# Altium PCB MiniPC.PcbDoc (part 10 of 23)
Units mm, origin at the board's own origin, x right, y up, seen from the top; angles counter-clockwise.
Board outline 175 x 155 mm, 16 copper layers (1_Top, 2_int1_(gnd), 3_int2_(power), 4_int3_(gnd), 5_int4_(sign), 6_int5_(power), 7_int6_(sign), 8_int7_(power), 9_int8_(gnd), 10_int9_(sign), 11_int10_(gnd), 12_int11_(sign), 13_int12_(gnd), 14_int13_(power), 15_int14_(gnd), 16_Bottom), stack 2.008 mm thick; 1046 components, 841 nets, 6010 pads, 4016 vias.
Unrouted connection lines stored in the file: 602.
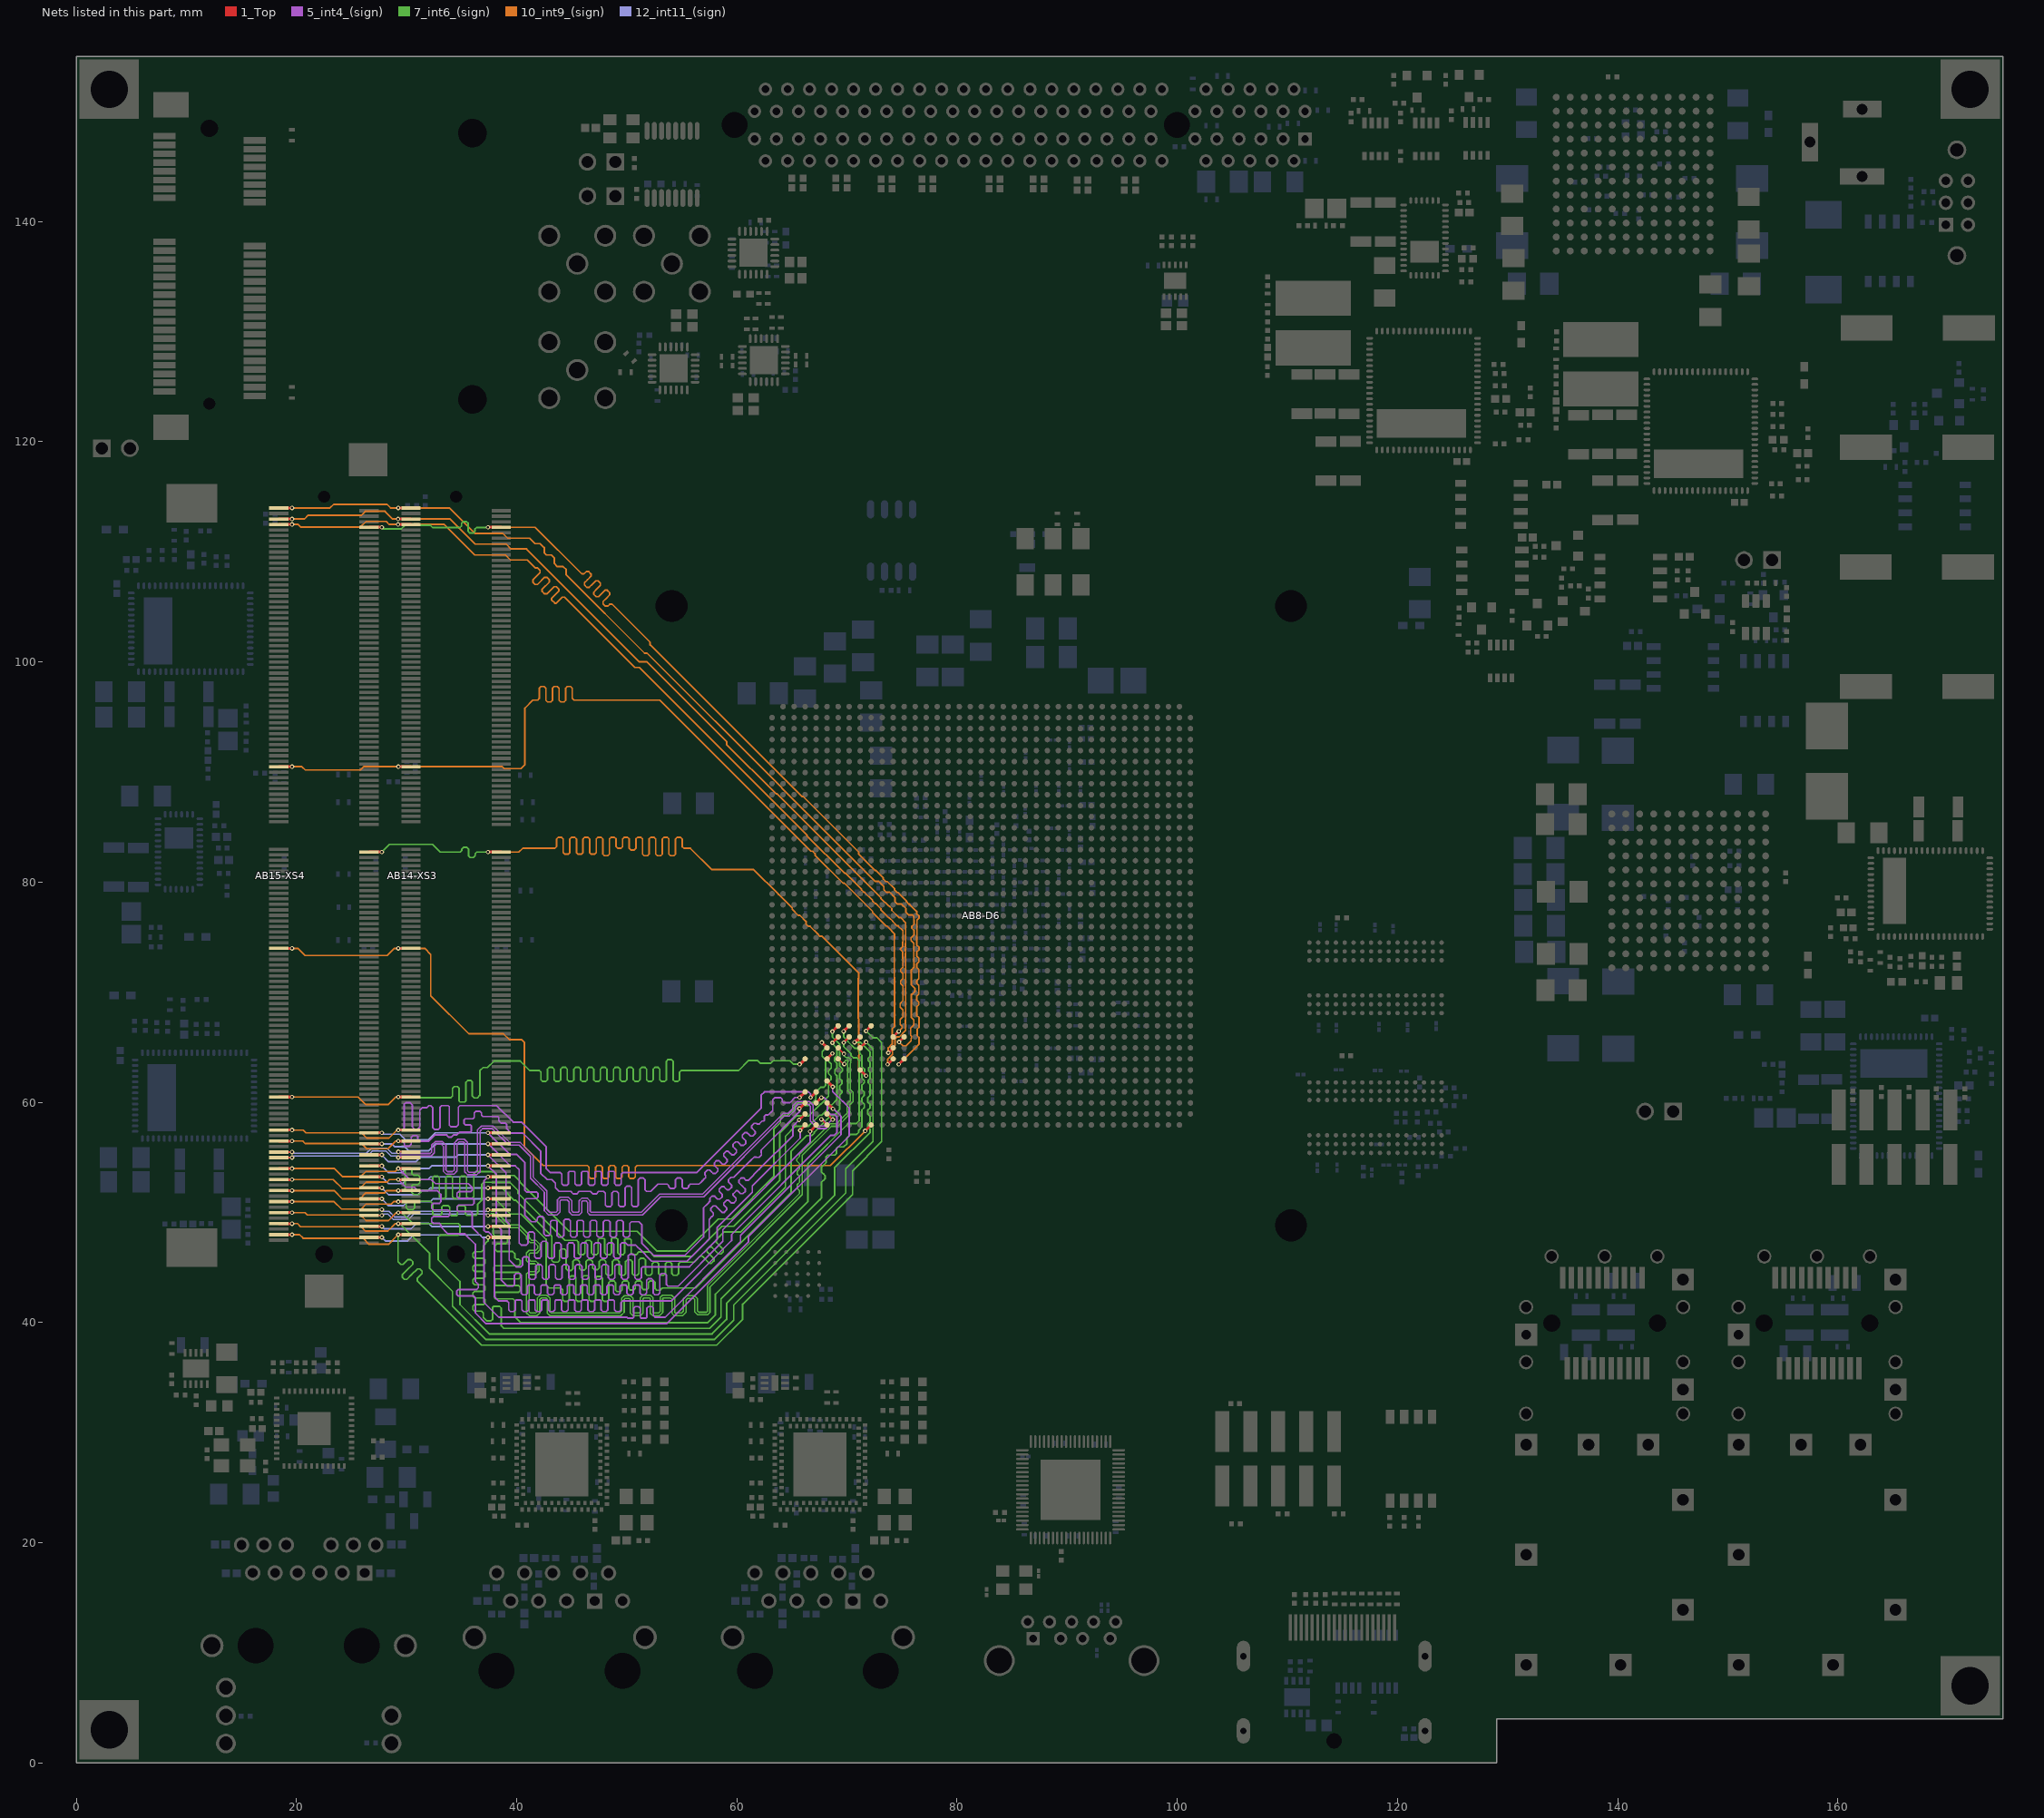
[diagram p24: the nets of this part, all layers, seen from the top]

## Via types
v1: diameter 0.4, hole 0.2, 1_Top to 16_Bottom, tented both sides, 1658 vias
v2: diameter 0.7, hole 0.3, 1_Top to 16_Bottom, tented both sides, 915 vias
v3: diameter 0.5, hole 0.2, 1_Top to 16_Bottom, tented both sides, 854 vias
v4: diameter 0.6, hole 0.2, 1_Top to 16_Bottom, 278 vias
v5: diameter 0.5, hole 0.2, 1_Top to 16_Bottom, 162 vias
v6: diameter 0.4, hole 0.2, 1_Top to 16_Bottom, 100 vias
v7: diameter 0.4/0/0/0/0/0/0/0/0/0/0/0/0/0/0/0.4 (per signal layer), hole 0.2, 1_Top to 16_Bottom, tented both sides, 18 vias
v8: diameter 0.4/0/0/0/0/0/0/0/0/0/0/0.4/0.4/0.4/0.4/0.4 (per signal layer), hole 0.2, 1_Top to 16_Bottom, tented both sides, 16 vias
v9: diameter 0.5, hole 0.254, 1_Top to 16_Bottom, 15 vias

## Nets (pads, with @x,y where several pads share a name; then routed paths per layer and width w, separated by ;. In a path a pad name is that pad's centre, name@x,y a point inside that pad or via, vN(x,y) a via of type N, cw(c..) or ccw(c..) an arc to the next point about the centre after c; other vN are vias at no path point) (continued)
DDR4_BLK1.CTRL.PARITY: AB8-D6.AP9 AB14-XS3.143 AB15-XS4.143 | length 88.4
  1_Top w0.25: AB15-XS4.143@26.6,82.725 v1(27.75,82.725) ; v1(37.398,82.725) AB14-XS3.143@38.6,82.725 ; AB8-D6.AP9@71.194,62.939 v1(71.725,62.408)
  7_int6_(sign) w0.15: v1(27.75,82.725) 28.45,83.425 32.375,83.425 33.075,82.725 34.875,82.725 35.025,82.875 35.025,83 35.175,83.15 35.475,83.15 35.625,83 35.625,82.375 35.775,82.225 36.075,82.225 36.225,82.375 36.225,82.575 36.375,82.725 v1(37.398,82.725)
  10_int9_(sign) w0.15: v1(37.398,82.725) 40.2,82.725 40.55,83.075 43.475,83.075 43.625,83.225 43.625,83.912 43.775,84.062 44.075,84.062 44.225,83.912 44.225,82.678 44.375,82.528 44.675,82.528 44.825,82.678 44.825,83.912 44.975,84.062 45.275,84.062 45.425,83.912 45.425,82.678 45.575,82.528 45.875,82.528 46.025,82.678 46.025,83.912 46.175,84.062 46.475,84.062 46.625,83.912 46.625,82.678 46.775,82.528 47.075,82.528 47.225,82.678 47.225,83.912 47.375,84.062 47.675,84.062 47.825,83.912 47.825,82.538 47.975,82.388 48.275,82.388 48.425,82.538 48.425,83.912 48.575,84.062 48.875,84.062 49.025,83.912 49.025,83.225 49.175,83.075 49.475,83.075 49.625,83.225 49.625,83.912 49.775,84.062 50.075,84.062 50.225,83.912 50.225,83.067 50.375,82.917 50.675,82.917 50.825,83.067 50.825,83.912 50.975,84.062 51.275,84.062 51.425,83.912 51.425,82.538 51.575,82.388 51.875,82.388 52.025,82.538 52.025,83.912 52.175,84.062 52.475,84.062 52.625,83.912 52.625,82.538 52.775,82.388 53.075,82.388 53.225,82.538 53.225,83.912 53.375,84.062 53.675,84.062 53.825,83.912 53.825,82.538 53.975,82.388 54.275,82.388 54.425,82.538 54.425,83.912 54.575,84.062 54.875,84.062 55.025,83.912 55.025,83.225 55.175,83.075 55.775,83.075 57.725,81.125 61.525,81.125 63.775,78.875 63.805,78.875 65.025,77.655 65.025,77.52 65.57,76.975 65.73,76.975 66.275,76.43 66.275,76.195 66.495,75.975 66.655,75.975 67.325,75.305 67.325,75.295 67.545,75.075 67.737,75.075 69.925,72.887 69.925,72.875 71.069,71.731 71.069,71.284 71.025,71.24 71.025,67.63 71.05,67.605 71.05,65.608 71.052,65.605 71.052,65.295 71.05,65.292 71.05,64.63 71.1,64.58 71.1,64.27 71.052,64.222 71.052,63.081 v1(71.725,62.408)
DDR4_BLK1.CTRL.RESET: AB8-D6.AW10 AB14-XS3.108 AB15-XS4.108 | length 80.9
  1_Top w0.25: AB15-XS4.108@18.4,73.975 v1(19.602,73.975) ; v1(29.25,73.975) AB14-XS3.108@30.4,73.975 ; v1(71.65,57.4) 71.655,57.4 AB8-D6.AW10@72.194,57.939
  10_int9_(sign) w0.15: v1(19.602,73.975) 20.125,73.975 20.775,73.325 28.25,73.325 28.9,73.975 v1(29.25,73.975) 31.65,73.975 32.2,73.425 32.2,69.675 35.65,66.225 38.8,66.225 39.325,65.7 40.438,65.7 40.688,65.45 40.688,55.988 42.425,54.25 46.425,54.25 46.575,54.1 46.575,53.222 46.725,53.072 47.025,53.072 47.175,53.222 47.175,54.1 47.325,54.25 47.625,54.25 47.775,54.1 47.775,53.222 47.925,53.072 48.225,53.072 48.375,53.222 48.375,54.1 48.525,54.25 48.825,54.25 48.975,54.1 48.975,53.222 49.125,53.072 49.425,53.072 49.575,53.222 49.575,54.1 49.725,54.25 50.025,54.25 50.175,54.1 50.175,53.222 50.325,53.072 50.625,53.072 50.775,53.222 50.775,54.1 50.925,54.25 68.5,54.25 v1(71.65,57.4)
DDR4_BLK1.CTRL.SA0: AB8-D6.AN12 AB14-XS3.256 AB15-XS4.256 | length 88.6
  1_Top w0.25: AB15-XS4.256@18.4,112.975 v1(19.602,112.975) ; v1(29.225,112.975) AB14-XS3.256@30.4,112.975 ; v1(73.694,63.439) AB8-D6.AN12@74.194,63.939
  10_int9_(sign) w0.15: v1(19.602,112.975) 20.72,112.975 21.045,113.3 25.875,113.3 26.25,113.675 28.05,113.675 28.75,112.975 v1(29.225,112.975) 33.95,112.975 36.225,110.7 39.05,110.7 39.5,110.25 40.9,110.25 51.15,100 51.837,100 59.069,92.768 59.069,92.501 63.545,88.025 63.639,88.025 72.855,78.808 72.855,78.8 73.075,78.58 73.075,78.528 73.789,77.814 73.849,77.814 74.069,77.595 74.069,77.431 74.725,76.775 74.855,76.775 75.329,76.302 75.329,75.12 75.325,75.116 75.325,74.701 75.333,74.692 75.333,74.464 75.304,74.434 75.304,74.123 75.333,74.094 75.333,73.983 75.304,73.954 75.304,73.764 75.328,73.74 75.328,73.533 75.304,73.509 75.304,73.198 75.329,73.173 75.329,70.688 ; v1(73.694,63.439) 73.694,63.909 74.125,64.34 74.125,64.958 74.35,65.183 74.35,65.75 74.529,65.929 74.729,65.929 75.325,66.525 75.325,67.152 75.304,67.173 75.304,67.484 75.325,67.505 75.325,68.1 75.33,68.105 75.33,70.687
DDR4_BLK1.CTRL.SA1: AB8-D6.AL13 AB14-XS3.260 AB15-XS4.260 | length 90.4
  1_Top w0.25: AB15-XS4.260@18.4,113.975 v1(19.602,113.975) ; v1(29.25,113.975) AB14-XS3.260@30.4,113.975 ; v1(74.73,65.475) AB8-D6.AL13@75.194,65.939
  10_int9_(sign) w0.15: v1(19.602,113.975) 23.05,113.975 23.375,114.3 28.225,114.3 28.55,113.975 v1(29.25,113.975) 33.9,113.975 36.2,111.675 38.725,111.675 39.175,111.225 41.175,111.225 41.662,110.738 42.138,110.738 42.5,110.375 42.5,109.9 42.7,109.7 43.15,109.7 43.425,109.425 43.425,108.925 43.7,108.65 44.225,108.65 44.5,108.375 44.5,107.9 51.615,100.785 51.845,100.785 64.075,88.555 64.075,88.528 72.55,80.053 72.889,80.053 73.35,79.592 73.35,79.295 73.57,79.075 73.867,79.075 74.35,78.592 74.35,78.22 74.57,78 74.942,78 75.35,77.592 75.35,77.245 75.57,77.025 75.917,77.025 76.075,76.867 76.075,76.555 76.1,76.53 76.1,76.195 75.88,75.975 75.88,75.82 76.079,75.621 76.079,75.198 75.825,74.945 75.825,74.7 76.075,74.45 76.075,72.605 76.079,72.602 76.079,72.248 75.85,72.02 75.85,70.65 76.175,70.325 76.175,70.075 75.9,69.8 75.85,69.8 75.85,67.7 76.075,67.475 76.075,67.025 75.775,66.725 75.775,66.075 75.863,65.987 75.863,65.812 75.825,65.775 75.825,65.575 75.375,65.125 75.079,65.125 v1(74.73,65.475)
DDR4_BLK1.CTRL.SA2: AB8-D6.AM12 AB14-XS3.166 AB15-XS4.166 | length 90.7
  1_Top w0.25: AB15-XS4.166@18.4,90.475 v1(19.602,90.475) ; v1(29.251,90.479) 30.396,90.479 AB14-XS3.166@30.4,90.475 ; v1(73.75,64.495) AB8-D6.AM12@74.194,64.939
  10_int9_(sign) w0.15: v1(19.602,90.475) 20.5,90.475 20.8,90.175 25.8,90.175 26.104,90.479 v1(29.251,90.479) 38.696,90.479 38.875,90.3 40.375,90.3 40.75,90.675 40.75,95.8 41.475,96.525 41.9,96.525 42.05,96.675 42.05,97.606 42.2,97.756 42.5,97.756 42.65,97.606 42.65,96.501 42.8,96.351 43.1,96.351 43.25,96.501 43.25,97.606 43.4,97.756 43.7,97.756 43.85,97.606 43.85,96.501 44,96.351 44.3,96.351 44.45,96.501 44.45,97.606 44.6,97.756 44.9,97.756 45.05,97.606 45.05,96.675 45.2,96.525 52.983,96.525 66.708,82.8 66.88,82.8 67.1,82.58 67.1,82.45 69.65,79.9 69.764,79.9 72.319,77.345 72.319,77.233 73.548,76.004 73.652,76.004 74.05,75.605 74.05,75.552 74.33,75.272 74.33,74.925 74.304,74.899 74.304,71.323 74.33,71.297 74.33,69.61 ; v1(73.75,64.495) 73.75,64.936 74.1,65.286 74.1,66.675 74.329,66.904 74.329,69.609
DDR4_BLK1.CTRL.SCL: AB8-D6.AN13 AB14-XS3.253 AB15-XS4.253 | length 89.8
  1_Top w0.25: AB15-XS4.253@26.6,112.225 v1(27.75,112.225) ; v1(37.398,112.225) AB14-XS3.253@38.6,112.225 ; v1(74.694,63.439) AB8-D6.AN13@75.194,63.939
  7_int6_(sign) w0.15: v1(27.75,112.225) 27.9,112.075 29.525,112.075 29.85,112.4 32.175,112.4 32.375,112.2 34.85,112.2 35,112.35 35,112.575 35.15,112.725 35.45,112.725 35.6,112.575 35.6,111.85 35.75,111.7 36.05,111.7 36.2,111.85 36.2,112.05 36.35,112.2 37.32,112.2 37.345,112.225 v1(37.398,112.225)
  10_int9_(sign) w0.15: v1(37.398,112.225) 41.675,112.225 45.906,107.994 46.118,107.994 46.326,108.201 46.538,108.201 46.75,107.989 46.75,107.777 46.436,107.464 46.155,107.183 46.155,106.97 46.367,106.758 46.58,106.758 46.861,107.039 47.174,107.353 47.386,107.353 47.599,107.141 47.599,106.929 47.285,106.615 47.004,106.334 47.004,106.122 47.216,105.91 47.428,105.91 47.709,106.191 48.023,106.504 48.235,106.504 48.447,106.292 48.447,106.08 48.133,105.767 47.852,105.486 47.852,105.273 48.065,105.061 48.277,105.061 48.452,105.236 48.664,105.236 52.125,101.775 52.125,101.539 65.889,87.775 65.996,87.775 71.069,82.702 71.069,82.534 72.539,81.064 72.599,81.064 73.3,80.364 73.3,80.27 73.52,80.05 73.655,80.05 74.329,79.377 74.329,79.274 74.552,79.05 74.614,79.05 75.4,78.264 75.4,78.22 75.62,78 75.664,78 76.325,77.339 76.325,77.125 76.55,76.9 76.55,76.755 76.35,76.555 76.35,75.066 76.325,75.041 76.325,74.295 76.55,74.07 76.55,73.875 76.325,73.65 76.325,73.295 76.525,73.095 76.525,72.755 76.329,72.559 76.329,72.248 76.525,72.052 76.525,71.225 76.325,71.025 76.325,70.8 76.525,70.6 76.525,69.825 76.325,69.625 76.325,69.275 76.514,69.086 76.514,68.861 76.325,68.672 76.325,67.9 76.55,67.675 76.55,66.825 76.375,66.65 76.375,66.05 76.55,65.875 76.55,65.296 v1(74.694,63.439)
DDR4_BLK1.CTRL.SDA: AB8-D6.AL12 AB14-XS3.254 AB15-XS4.254 | length 90.8
  1_Top w0.25: AB15-XS4.254@18.4,112.475 v1(19.602,112.475) ; v1(29.225,112.475) AB14-XS3.254@30.4,112.475 ; AB8-D6.AL12@74.194,65.939 v1(74.694,66.439)
  10_int9_(sign) w0.15: v1(19.602,112.475) 20.15,112.475 20.375,112.25 25.825,112.25 26.325,112.75 28.15,112.75 28.425,112.475 v1(29.225,112.475) 33.425,112.475 36.2,109.7 38.975,109.7 39.425,109.25 40.975,109.25 41.7,108.525 41.903,108.525 42.124,108.305 42.124,108.101 41.471,107.449 41.471,107.236 41.684,107.024 41.896,107.024 42.548,107.677 42.752,107.677 42.972,107.456 42.972,107.253 42.32,106.6 42.32,106.388 42.532,106.176 42.744,106.176 43.397,106.828 43.6,106.828 43.821,106.608 43.821,106.404 43.168,105.752 43.168,105.632 43.473,105.327 43.593,105.327 44.139,105.874 44.351,105.874 50.735,99.49 51.14,99.49 66.354,84.276 66.354,84.22 69.759,80.814 69.849,80.814 71.319,79.345 71.319,79.284 71.539,79.064 71.599,79.064 72.325,78.339 72.325,78.27 72.545,78.05 72.614,78.05 73.069,77.595 73.069,77.501 73.816,76.754 73.859,76.754 74.15,76.463 74.15,76.42 74.545,76.025 74.638,76.025 75.079,75.584 75.079,75.223 75.075,75.22 75.075,74.589 75.083,74.58 75.083,74.567 75.054,74.538 75.054,74.129 74.825,73.9 74.825,73.889 75.078,73.637 75.054,73.612 75.054,73.095 75.075,73.073 75.075,72.275 74.875,72.075 74.875,71.875 75.075,71.675 75.075,71.225 74.875,71.025 74.875,70.788 75.08,70.584 75.08,70.273 ; v1(74.694,66.439) 75,66.745 75,66.895 74.825,67.071 74.825,67.525 75.075,67.775 75.075,68.375 74.825,68.625 74.825,68.975 75.079,69.229 75.079,70.272
DDR4_BLK1.DL1.DM0: AB8-D6.AL9 AB14-XS3.12 AB15-XS4.12 | length 87.5
  1_Top w0.25: AB15-XS4.12@18.4,49.975 v1(19.602,49.975) ; v1(29.25,49.975) AB14-XS3.12@30.4,49.975 ; v1(70.677,65.45) 70.705,65.45 AB8-D6.AL9@71.194,65.939
  7_int6_(sign) w0.15: v1(29.25,49.975) 29.575,49.975 30.575,48.975 34.7,48.975 34.85,48.825 34.85,48.125 34.65,47.925 33.075,47.925 32.875,47.725 32.875,45.7 34.85,43.725 34.85,41.629 37.524,38.955 57.744,38.955 59.07,40.281 59.07,41.745 68.875,51.55 68.875,54.05 72.104,57.279 72.104,57.55 72.1,57.55 71.875,57.775 71.875,58.021 72.104,58.25 72.104,58.721 71.875,58.95 71.875,59.271 72.104,59.5 72.104,59.8 71.875,60.029 71.875,60.4 72.075,60.6 72.104,60.6 72.104,61.6 72.1,61.6 71.925,61.775 71.925,61.996 72.104,62.175 72.104,62.7 72.1,62.7 71.95,62.85 71.95,63.097 72.104,63.25 72.104,63.622 71.9,63.825 71.9,63.997 72.104,64.2 72.104,64.566 71.22,65.45 v1(70.677,65.45)
  10_int9_(sign) w0.15: v1(19.602,49.975) 20.77,49.975 20.982,49.763 25.812,49.763 26.325,49.25 28.35,49.25 29.075,49.975 v1(29.25,49.975)
DDR4_BLK1.DL1.DQ0: AB8-D6.AM9 AB14-XS3.8 AB15-XS4.8 | length 81.4
  1_Top w0.25: AB15-XS4.8@18.4,48.975 v1(19.602,48.975) ; v1(29.25,48.975) AB14-XS3.8@30.4,48.975 ; AB8-D6.AM9@71.194,64.939 71.725,65.47 v1(71.725,65.475)
  7_int6_(sign) w0.15: v1(29.25,48.975) 29.3,48.925 29.325,48.925 29.325,49.046 32.1,46.271 32.1,44.9 34.175,42.825 34.175,41.5 37.23,38.445 57.955,38.445 59.715,40.205 59.715,41.588 69.888,51.761 69.888,53.962 72.354,56.427 72.354,64.85 71.729,65.475 v1(71.725,65.475)
  10_int9_(sign) w0.15: v1(19.602,48.975) 20.1,48.975 20.375,48.7 25.875,48.7 26.275,48.3 28.3,48.3 28.975,48.975 v1(29.25,48.975)
DDR4_BLK1.DL1.DQ1: AB8-D6.AL8 AB14-XS3.7 AB15-XS4.7 | length 88.5
  1_Top w0.25: AB15-XS4.7@26.6,48.725 v1(27.75,48.725) ; v1(37.398,48.725) AB14-XS3.7@38.6,48.725 ; v1(69.7,65.425) 69.7,65.445 AB8-D6.AL8@70.194,65.939 AB8-D6.AL8@70.089,65.939
  7_int6_(sign) w0.15: v1@37.423,48.75 v1(37.398,48.725) 37.675,48.725 37.875,48.525 37.875,48.025 38.025,47.875 38.9,47.875 39.175,47.6 39.175,47.325 39,47.15 38.225,47.15 38.05,46.975 38.05,46.625 38.225,46.45 39.623,46.45 39.823,46.25 39.823,45.9 39.973,45.75 40.184,45.75 40.334,45.6 40.334,45.3 40.184,45.15 38.066,45.15 37.916,45 37.916,44.7 38.066,44.55 40.184,44.55 40.334,44.4 40.334,44.1 40.184,43.95 38.066,43.95 38.025,43.909 38.025,43.391 38.066,43.35 40.169,43.35 40.319,43.2 40.319,42.9 40.169,42.75 38.066,42.75 38.025,42.709 38.025,42.191 38.066,42.15 39.673,42.15 39.823,42 39.823,40.552 40.4,39.975 57.322,39.975 58.05,40.703 58.05,42.575 66.44,50.965 66.44,54.39 70.114,58.064 70.849,58.064 71.1,58.315 71.1,63.825 70.875,64.05 70.57,64.05 70.35,64.27 70.35,64.42 69.7,65.07 v1(69.7,65.425)
  12_int11_(sign) w0.15: v1(27.75,48.725) 27.975,48.5 30.4,48.5 30.9,49 32,49 32.275,48.725 v1(37.398,48.725)
DDR4_BLK1.DL1.DQ2: AB8-D6.AM6 AB14-XS3.20 AB15-XS4.20 | length 87
  1_Top w0.25: AB15-XS4.20@18.4,51.975 v1(19.602,51.975) ; v1(29.25,51.975) AB14-XS3.20@30.4,51.975 ; v1(67.719,65.431) 68.194,64.956 AB8-D6.AM6@68.194,64.939
  7_int6_(sign) w0.15: v1(29.25,51.975) 29.275,52 29.725,52 29.875,52.15 29.875,53.85 30.025,54 30.325,54 30.475,53.85 30.475,53.525 30.625,53.375 31.05,53.375 31.2,53.225 31.2,52.7 31.025,52.525 30.6,52.525 30.475,52.4 30.475,51.825 30.675,51.625 31.1,51.625 31.475,52 32.225,52 32.375,52.15 32.375,53.15 32.525,53.3 32.825,53.3 32.975,53.15 32.975,51.4 33.125,51.25 33.425,51.25 33.575,51.4 33.575,53.15 33.725,53.3 34.025,53.3 34.175,53.15 34.175,51.4 34.325,51.25 34.625,51.25 34.825,51.45 34.825,53.125 35,53.3 35.275,53.3 35.45,53.125 35.45,51.425 35.6,51.275 35.95,51.275 36.1,51.425 36.1,53.525 36.275,53.7 37.875,53.7 38.225,53.35 39.775,53.35 40.3,52.825 40.3,52.725 44.75,48.275 50.946,48.275 52.721,46.5 55.4,46.5 58.3,49.4 59.498,49.4 63.35,53.252 63.35,57.55 63.95,58.15 63.95,58.525 64.25,58.825 64.625,58.825 65.175,59.375 65.175,59.575 65.55,59.95 65.925,59.95 66.175,59.7 66.475,59.7 66.725,59.95 66.85,59.95 67.175,60.275 67.175,60.625 67.375,60.825 67.375,61.125 67.612,61.362 67.913,61.362 68.05,61.5 68.05,63.875 67.75,64.175 67.75,64.6 68.05,64.9 68.05,65.1 v1(67.719,65.431)
  10_int9_(sign) w0.15: v1(19.602,51.975) 23.425,51.975 24.175,51.225 25.75,51.225 26.275,51.75 27.975,51.75 28.2,51.975 v1(29.25,51.975)
DDR4_BLK1.DL1.DQ3: AB8-D6.AL7 AB14-XS3.21 AB15-XS4.21 | length 88.1
  1_Top w0.25: AB15-XS4.21@26.6,52.225 v1(27.75,52.225) ; v1(37.398,52.225) AB14-XS3.21@38.6,52.225 ; v1(68.675,65.4) 69.194,65.919 AB8-D6.AL7@69.194,65.939
  7_int6_(sign) w0.15: v1@37.448,52.175 v1(37.398,52.225) 38.65,52.225 39.775,51.1 39.93,51.1 43.2,47.83 43.2,45.625 43.345,45.48 43.6,45.48 43.75,45.48 43.9,45.63 43.9,46.524 44.05,46.674 44.35,46.674 44.5,46.524 44.5,45.48 44.5,44.875 44.65,44.725 44.95,44.725 45.1,44.875 45.1,45.48 45.1,45.53 45.25,45.68 45.55,45.68 45.7,45.53 45.7,45.48 45.7,44.912 45.85,44.762 46.15,44.762 46.3,44.912 46.3,45.48 46.3,45.53 46.45,45.68 46.75,45.68 46.9,45.53 46.9,45.48 46.9,44.949 47.05,44.799 47.35,44.799 47.5,44.949 47.5,45.48 47.5,45.53 47.65,45.68 47.95,45.68 48.1,45.53 48.1,45.48 48.1,44.436 48.25,44.286 48.55,44.286 48.7,44.436 48.7,45.48 48.7,45.53 48.85,45.68 49.15,45.68 49.3,45.53 49.3,45.48 49.3,44.436 49.45,44.286 49.75,44.286 49.9,44.436 49.9,45.48 49.9,45.53 50.05,45.68 50.35,45.68 50.5,45.53 50.5,45.48 50.5,44.436 50.65,44.286 50.95,44.286 51.1,44.436 51.1,45.48 51.1,45.678 51.25,45.828 51.55,45.828 51.7,45.678 51.7,45.48 51.7,44.436 51.85,44.286 52.15,44.286 52.3,44.436 52.3,45.33 52.45,45.48 52.75,45.48 52.9,45.33 52.9,44.436 53.05,44.286 53.35,44.286 53.5,44.436 53.5,45.33 53.65,45.48 53.95,45.48 54.1,45.33 54.1,44.436 54.25,44.286 54.55,44.286 54.7,44.436 54.7,45.33 54.85,45.48 55.3,45.48 55.9,45.48 56.111,45.48 56.323,45.692 56.642,46.01 56.854,46.01 57.486,45.378 57.698,45.378 57.91,45.59 57.91,45.803 57.278,46.435 57.278,46.647 57.49,46.859 57.702,46.859 58.334,46.227 58.546,46.227 58.759,46.439 58.759,46.651 58.126,47.283 58.126,47.495 58.445,47.813 58.856,48.225 60.375,48.225 64.41,52.26 64.41,56.91 65.325,57.825 66.52,57.825 67.52,58.825 67.7,58.825 68.35,59.475 68.35,59.555 68.57,59.775 68.63,59.775 69.075,60.22 69.075,62.425 68.9,62.6 68.9,62.95 69.075,63.125 69.075,63.55 68.875,63.75 68.875,64.025 69.075,64.225 69.075,64.925 68.675,65.325 v1(68.675,65.4)
  12_int11_(sign) w0.15: v1(27.75,52.225) 28.375,51.6 31,51.6 31.375,51.975 31.925,51.975 32.175,52.225 v1(37.398,52.225)
DDR4_BLK1.DL1.DQ4: AB8-D6.AK10 AB14-XS3.4 AB15-XS4.4 | length 88
  1_Top w0.25: AB15-XS4.4@18.4,47.975 v1(19.602,47.975) ; v1(29.25,47.975) AB14-XS3.4@30.4,47.975 ; v1(71.725,66.47) AB8-D6.AK10@72.194,66.939
  7_int6_(sign) w0.15: v1(29.25,47.975) 29.225,47.95 29.225,45.525 29.481,45.269 29.693,45.269 30.14,45.716 30.352,45.716 30.564,45.504 30.564,45.292 30.011,44.739 29.606,44.333 29.606,44.121 29.818,43.909 30.03,43.909 30.436,44.314 30.989,44.867 31.201,44.867 31.413,44.655 31.413,44.443 30.966,43.996 30.966,43.784 36.815,37.935 58.167,37.935 60.525,40.294 60.525,41.66 70.5,51.635 70.5,53.775 73.15,56.425 73.15,65.43 72.73,65.85 72.345,65.85 v1(71.725,66.47)
  10_int9_(sign) w0.15: v1(19.602,47.975) 20.275,47.975 20.6,47.65 26.05,47.65 26.6,47.1 28.35,47.1 29.225,47.975 v1(29.25,47.975)
DDR4_BLK1.DL1.DQ5: AB8-D6.AK8 AB14-XS3.3 AB15-XS4.3 | length 88.7
  1_Top w0.25: AB15-XS4.3@26.6,47.725 v1(27.75,47.725) ; v1(37.398,47.725) AB14-XS3.3@38.6,47.725 ; v1(69.694,66.439) AB8-D6.AK8@70.194,66.939
  7_int6_(sign) w0.15: v1(37.398,47.725) 37.398,47.4 36.975,46.977 36.975,46.575 36.825,46.425 36.175,46.425 36.025,46.275 36.025,45.975 36.175,45.825 36.975,45.825 37.125,45.675 37.125,45.375 36.975,45.225 36.175,45.225 36.025,45.075 36.025,44.775 36.175,44.625 36.975,44.625 37.125,44.475 37.125,44.175 36.975,44.025 36.175,44.025 36.025,43.875 36.025,43.575 36.175,43.425 36.975,43.425 37.125,43.275 37.125,42.975 36.975,42.825 36.175,42.825 36.025,42.675 36.025,42.375 36.175,42.225 36.975,42.225 37.125,42.075 37.125,41.775 36.975,41.625 36.175,41.625 36.025,41.475 36.025,41.175 36.175,41.025 36.825,41.025 36.975,40.875 36.975,40.45 37.275,40.15 37.675,40.15 37.825,40.3 37.825,41.375 37.925,41.475 38.425,41.475 38.6,41.3 38.6,39.7 38.835,39.465 57.533,39.465 58.56,40.492 58.56,42.16 67.557,51.157 67.557,51.182 67.69,51.315 67.69,52.625 67.69,52.75 67.84,52.9 67.853,52.9 68.003,53.05 68.003,53.35 67.853,53.5 67.84,53.5 67.69,53.65 67.69,53.8 67.69,54.115 68.1,54.525 68.1,55.05 68.25,55.2 68.9,55.2 69.05,55.35 69.05,55.825 69.175,55.95 69.7,55.95 70,56.25 70,56.775 70.289,57.064 70.849,57.064 71.069,57.284 71.069,57.469 71.35,57.75 71.35,59.3 71.575,59.525 71.575,59.825 71.35,60.05 71.35,60.4 71.55,60.6 71.55,60.95 71.35,61.15 71.35,61.555 71.575,61.78 71.575,61.975 71.35,62.2 71.35,62.564 71.6,62.814 71.6,63 71.35,63.25 71.35,64.247 71.15,64.447 71.15,64.68 70.93,64.9 70.697,64.9 70.075,65.522 70.075,65.58 69.694,65.961 v1(69.694,66.439)
  12_int11_(sign) w0.15: v1(27.75,47.725) 28.075,47.4 30.1,47.4 30.65,47.95 36.675,47.95 36.9,47.725 v1(37.398,47.725)